# Altium PCB betrusted_evt2b.PcbDoc (part 2 of 6) (continued)
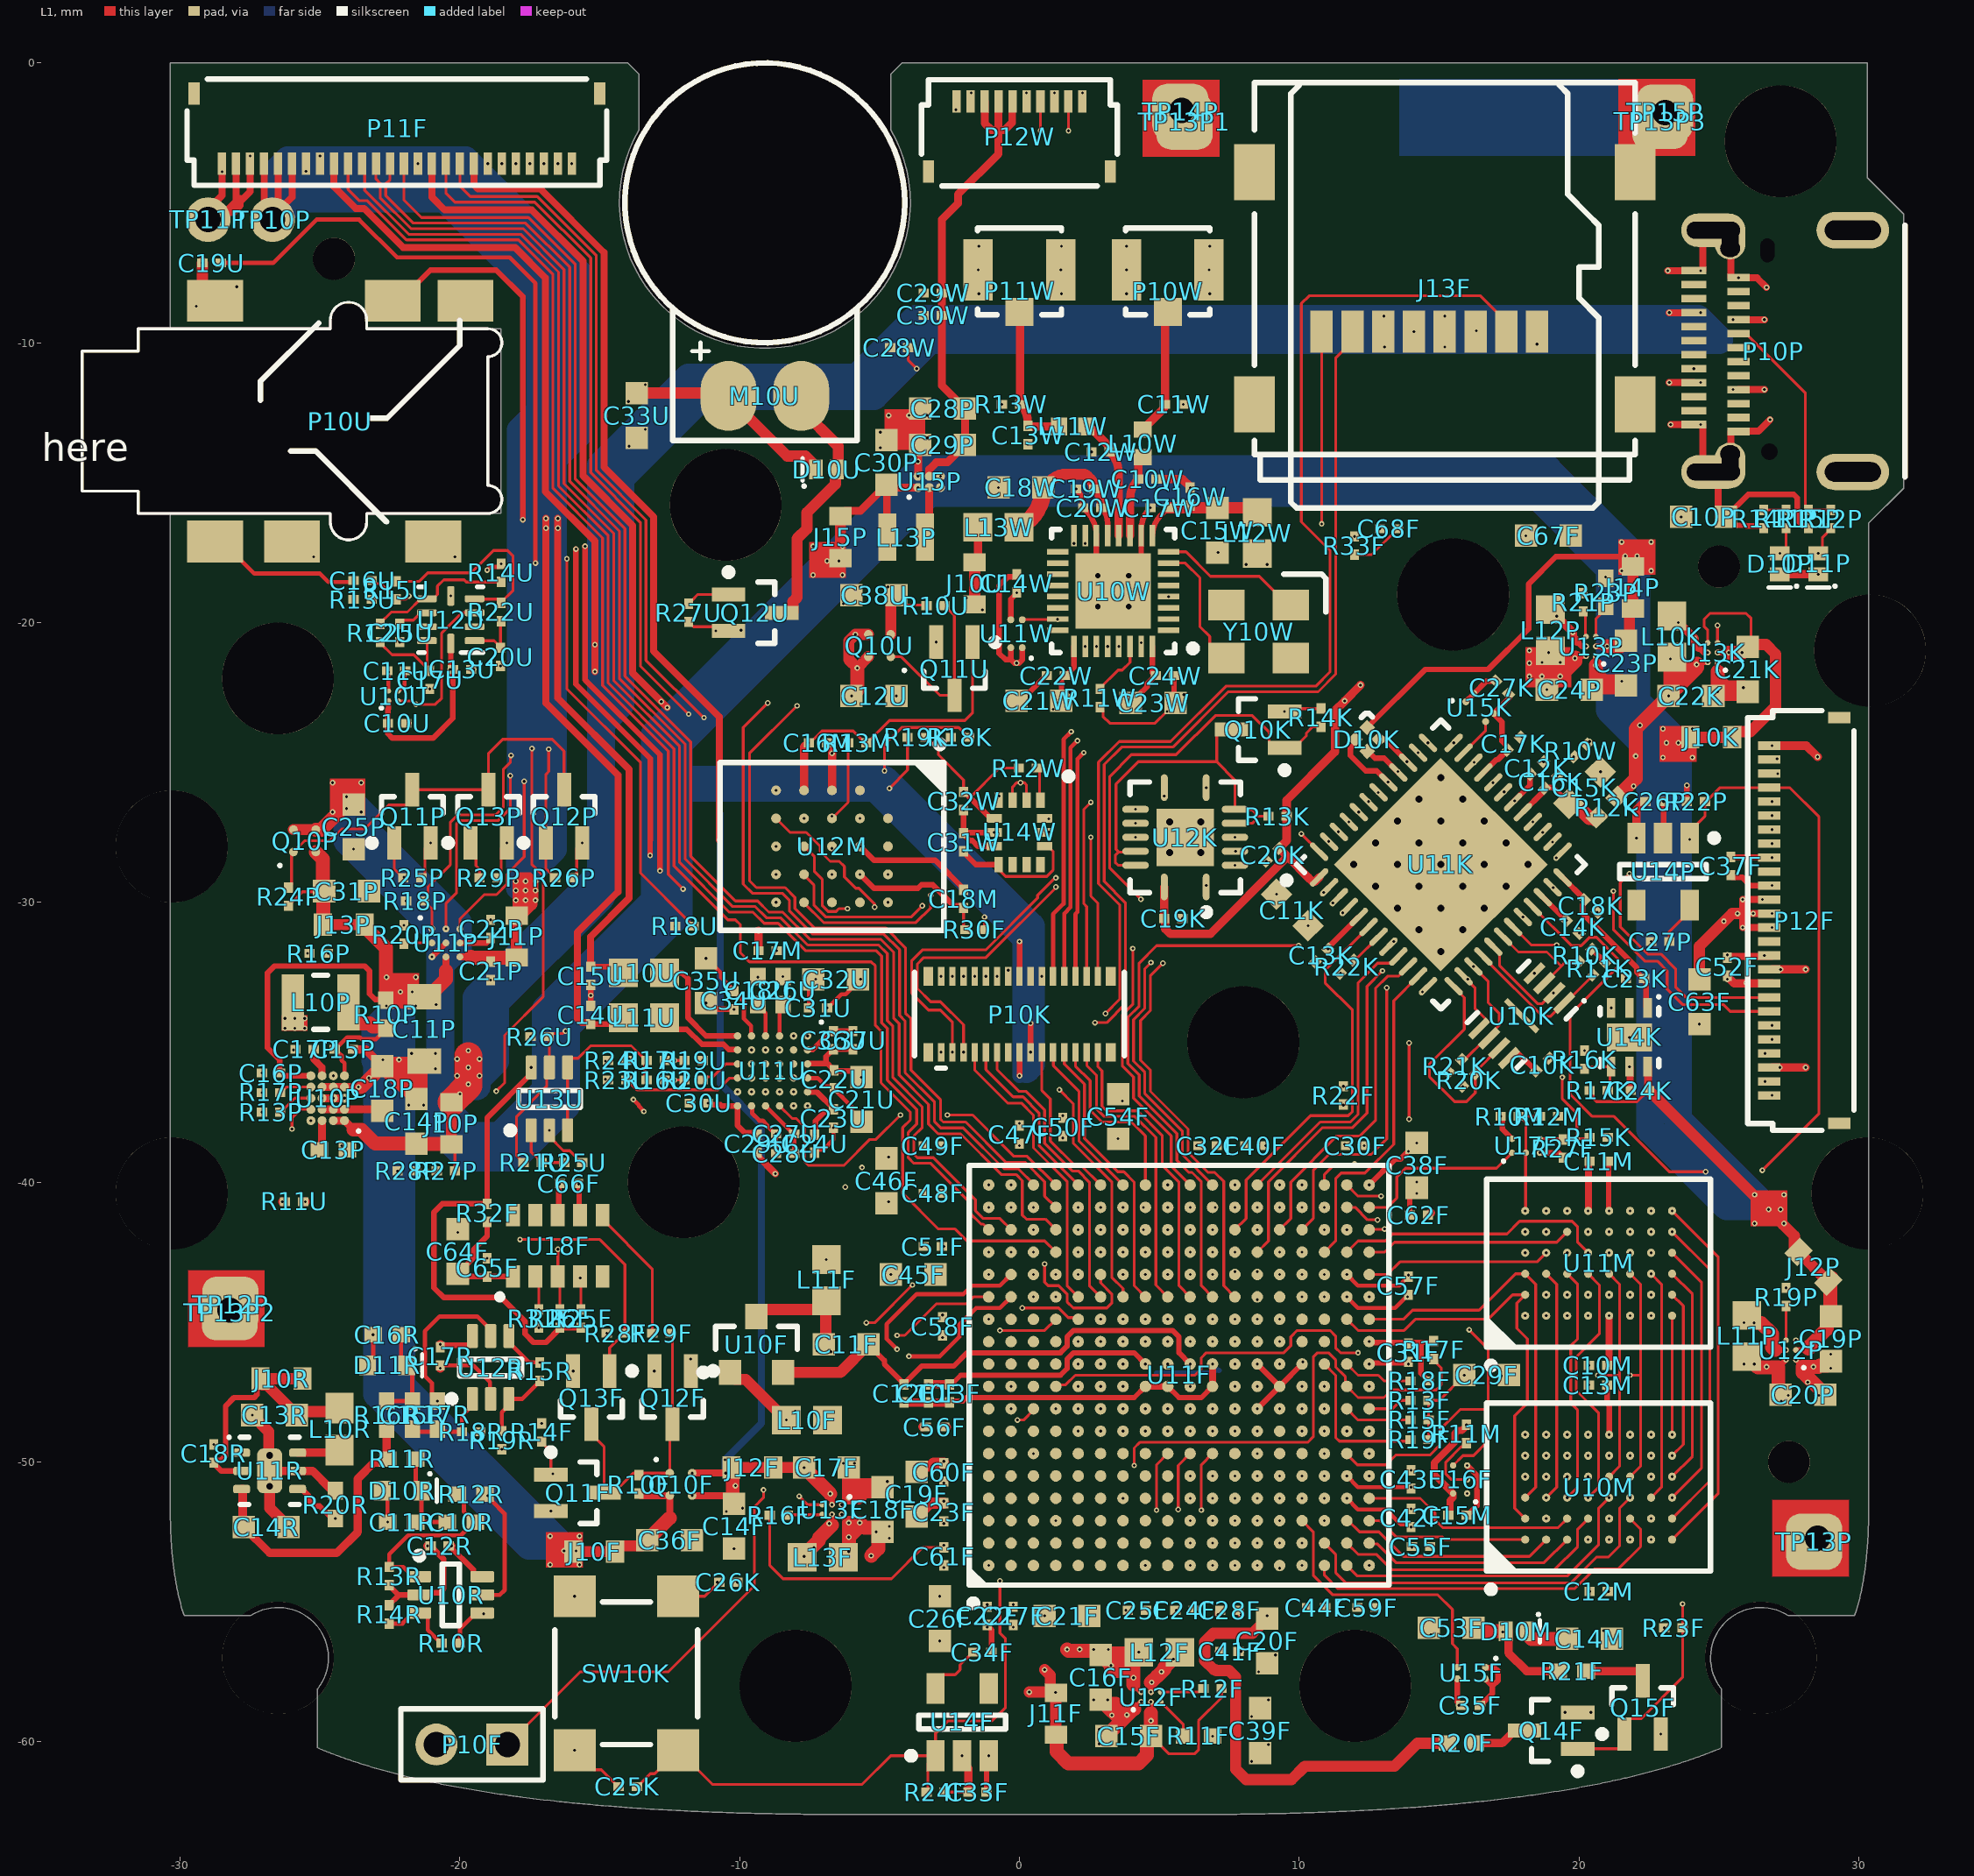
[diagram p0: L1 view]
## Part data (continued)
U10F: MPN=REF3012AIDBZT, MYPN=U-REF3012AIDBZR(T/R), VENDOR=TI
U10K: library part EN25P05-50GCP, "64Mbit SPI NOR FLASH", MPN=MX25R8035FZUIL0, MYPN=UMX25R8035FZUIL0, VENDOR=Macronix
U10M U11M: library part IS66WVE4M16, MPN=IS66WVE4M16EALL-70BLI, MYPN=U-IS66WVE4M16EALL-70BLI, VENDOR=ISSI
U10P: "Fully integrated switch-mode charger with USB compliance and OTG support", MPN=BQ24157YFFR, MYPN=U-BQ24157YFF(R/T), VENDOR=TI
U10R U12R U13U: library part CMP-0055-01099-3, "Single 1.8V, RRIO Operational Amplifiers with Shutdown, 6-pin SC-70, Pb-Free", Package Reference=DCK0006A, PackageTopMarking=A77*XTT, PowerWise=N, ComponentLink1Description="Datasheet URL", ComponentLink1URL=http://www.ti.com/general/docs/lit/getliterature.tsp?genericPartNumber=LMV981-N&fileType=pdf, CompType=Amplifiers, MPN=LMV981MG/NOPB, PackageDescription="Molded SC-70, 2 x 1.25 x .9mm, 6 Lead, 0.65mm Pitch", PinCount=6, RoHS=Y, VENDOR="Texas Instruments"
U10U: library part LP5907UVX, "Ultra low-noise 250mA LDO for RF and analog in DSBGA", MPN=LP5907UVX-2.2/NOPB, MYPN=ULP5907UVX-2.2, VENDOR=TI
U10W: library part WF200C(R), "Wifi Network Coprocessor", MPN=WF200C, MYPN=U-WF200C(R), VENDOR=SiLabs
U11F: library part XC7S25CSGA324, "Spartan 7 FPGA in CSGA324 package", MPN=XC7S50-L1CSGA324I, MYPN=U-XC7S50-CSGA324, VENDOR=XILINX
U11P: "System-Side Impedance Track Fuel Gauge with integrated Sense Resistor", MPN=bq27421YZFT-G1A, MYPN=bq27421YZF(T/R)-G1A, VENDOR=TI
U11R: "30V WLED driver with integrated power diode", MPN=TPS61158DRVR, MYPN=U-TPS61158DRVR, VENDOR=TI
U11U: library part AMP-AUDA-LM49352-36, MPN=LM49352RL/NOPB, MYPN=U-LM49352RL/NOPB, VENDOR=TI
U11W: library part SiT1532, "10ppm ultra low power 32.768 kHz replacement", MPN=SIT1532AI-J4-DCC-32.768E, MYPN=U-SIT1532AX-JX-DCC-32.768X, VENDOR=SiTime
U12F U13K: "Buck regulator, 4MHz, 0.6A, 0.8V-1.55V, low Iq", MPN=TPS62801YKAT, MYPN=U-TPS62801YKA(T/R), VENDOR=TI
U12K: "0.9 ohm low voltage, single supply, 4-channel SPST analog switch", MPN=TS3A4751RGYR, MYPN=U-TS3A4751RGYR, VENDOR=TI
U12M: library part MX66UM1G45G, "1.8V 1Gbit x1/x8 OctaFlash SPINOR", MPN=MX66UM1G45GXDI00, MYPN=U-MX66UM1G45GXDI00, VENDOR=Macronix
U12P U13F U13P: "Buck regulator, 4MHz, 0.6A, 1.8V-3.3V, low Iq", MPN=TPS62802YKAR, MYPN=U-TPS62802YKA(T/R), VENDOR=TI
U12U: library part TI-THS4531X-RUN10, "Ultra Low-Power, RRIO, Fully Differential Amplifier", MPN=THS4531AIRUNT, MYPN=U-THS4531AIRUN(T/R), VENDOR=TI
U14F U14P: library part BU42XXG, "Low voltage free delay time setting CMOS voltage detector IC", MPN=BU4217G-TR, MYPN=U-BU4217G-TR, VENDOR=Rohm
U14K: library part TI-TPS78225-Q1DRV6-1600X1000TP, "500nA Iq, 150mA LDO", MPN=TPS78225DRVT, MYPN=U-TPS78225DRV(T/R), VENDOR=TI
U14W: "iNEMO Inertial Module: Always-on 3D Accelerometer and 3D Gyroscope, 1.71 to 3.6 V, -40 to 85 degC, 14-Pin LGA, RoHS, Tape and Reel", Max Processing Temp=260, Operating Supply Voltage=1.8volt, Operating Temperature=-40to85C, Typical Supply Current=1.25Milliamps, Datasheet URL=http://www2.st.com/content/ccc/resource/technical/document/datasheet/a3/f5/4f/ae/8e/44/41/d7/DM00133076.pdf/files/DM00133076.pdf/jcr:content/translations/en.DM00133076.pdf, Datasheet Version="Rev. 8, 02/2016", Lead Finish=GoldOverNickel, Manufacturer URL=http://www.st.com/, Mounting=SurfaceMount, MPN=LSM6DS3TR, MYPN=U-LSM6DS3TR, Number of Axis=3, Output Type=Digital, Screening Level=Industrial, Sensing Distance=2|4|6|8|16G, Type=AccelerometerandGyroscope, VENDOR=STMicroelectronics
U15F U15K: library part SiT8021, "1 to 26 MHz micropower oscillator", MPN=SIT8021AI-J4-18S-12.000000E, MYPN=U-SIT8021AI-J4-18S-12.000000E, VENDOR=SiTime
U15P: "Synchronous Boost Converter with Ultra-Low Iq", MPN=TPS610997YFFR, MYPN=TPS610997YFFT(T/R), VENDOR=TI
U16F U17F: library part CMP-0859-01029-3, "Single Bilateral Analog Switch, YZP0005ADAD, LARGE T&R", F @ Nom Voltage(Max)(Mhz)=250, Generic Part Number=SN74AUC1G66, ICC @ Nom Voltage(Max)(mA)=0.01, Manufacturer="Texas Instruments", Operating Temperature Range(C)="-40 to 85", Rating=Catalog, tpd @ Nom Voltage(Max)(ns)=0.9,0.3,0.2,0.1, Voltage(Nom)(V)=0.8,1.2,1.5,1.8,2.5, 3-State Output=No, Bits(#)=1, Channels(#)=1, DatasheetVersion=SCES386L, Input Type=CMOS, Logic=True, Output Drive (IOL/IOH)(Max)(mA)=9/-9, Output Type=CMOS, PackageReference=YZP0005ADAD, Schmitt Trigger=No, Sub-Family="Analog Switch", Switch Configuration=SPST, Technology Family=AUC, VCC(Max)(V)=2.7, VCC(Min)(V)=0.8
U18F: library part AB-RTCMC-32.768kHZ-B5ZE-S3, "RTC Module with I2C Bus", MPN=AB-RTCMC-32.768KHZ-B5ZE-S3-T, MYPN=U-AB-RTCMC-32.768KHZ-B5ZE-S3-T, VENDOR=Abracon
Y10W: library part XTAL, "Crystal Oscillator", MPN=ECS-384-10-33B-CKY-TR, LatestRevisionDate=17-Jul-2002, LatestRevisionNote="Re-released for DXP Platform.", MYPN=X-38.4000-40OHM-10PF-10PPM, PackageDescription="Crystal, Thru-Hole; 2 Leads; Body 3.1 x 8.2 mm (Dia.xH)", PackageReference=R38, Published=8-Jun-2000, Publisher="Altium Limited", VENDOR=ECS

## Free pads (board coordinates)
  round 4 hole 4 unplated mask+0.3: 0(-30.3,-40.4) 0(-30.3,-28) 0(-26.5,-57) 0(-12,-40) 0(-10.5,-15.8) 0(12,-58) 0(15.5,-19) 0(26.5,-57) 0(30.3,-40.4) 0(30.4,-21)
  round 1.2 hole 0.9 mask+0.07: 0(-28.225,-44.575) 0(5.8,-1.7) 0(23.075,-1.775) 0(28.525,-52.725)
  round 4 hole 4 unplated mask+1: 0(-26.5,-22) 0(-8,-58) 0(8,-35) 0(27.2,-2.8)
  round 1.5 hole 1.5 unplated mask+0.4: 0(-24.5,-7) 0(25,-18) 0(27.5,-50)
  rect 2.489x0.051 on Bottom Overlay: 1(-16.861,-24.786) 1(-16.861,-24.735) 1(-16.861,-24.837) 1(-14.575,-22.449)
  rect 2.54x0.051 on Bottom Overlay: 1(-16.836,-25.091) 1(-16.836,-24.989) 1(-16.836,-24.939) 1(-16.836,-24.888) 1(-16.836,-24.685) 1(-16.836,-24.583) 1(-16.836,-24.532) 1(-16.836,-25.04) 1(-16.836,-24.634) 1(-16.836,-24.481) 1(-16.734,-24.278) 1(-12.416,-24.278) 1(-12.314,-25.04) 1(-12.314,-24.989) 1(-12.314,-24.939) 1(-12.314,-24.888) 1(-12.314,-24.837) 1(-12.314,-24.786) 1(-12.314,-24.735) 1(-12.314,-24.685) 1(-12.314,-24.634) 1(-12.314,-24.583) 1(-12.314,-24.532) 1(-12.314,-24.481)
  rect 2.591x0.051 on Bottom Overlay: 1(-16.81,-25.193) 1(-16.81,-25.142) 1(-16.81,-24.431) 1(-16.81,-24.38) 1(-16.81,-24.329) 1(-16.759,-25.243) 1(-12.391,-25.243) 1(-12.34,-25.142) 1(-12.34,-25.091) 1(-12.34,-24.38) 1(-12.34,-25.193) 1(-12.34,-24.431)
  rect 0.102x0.051 on Bottom Overlay: 1(-16.734,-21.992) 1(-15.667,-27.225) 1(-13.483,-27.225) 1(-12.416,-21.992)
  rect 0.254x0.051 on Bottom Overlay: 1(-16.709,-27.479) 1(-16.709,-22.043) 1(-15.693,-27.174) 1(-13.457,-27.174) 1(-12.441,-27.479) 1(-12.441,-22.043)
  rect 0.356x0.051 on Bottom Overlay: 1(-16.709,-27.428) 1(-16.709,-22.094) 1(-15.743,-27.123) 1(-13.407,-27.123) 1(-12.441,-22.094)
  rect 0.152x0.051 on Bottom Overlay: 1(-16.709,-27.529) 1(-12.441,-27.529)
  rect 0.457x0.051 on Bottom Overlay: 1(-16.709,-22.145)
  rect 0.508x0.051 on Bottom Overlay: 1(-16.683,-27.377) 1(-12.467,-27.377) 1(-12.467,-22.145)
  rect 0.61x0.051 on Bottom Overlay: 1(-16.683,-27.326) 1(-16.683,-22.195) 1(-12.467,-22.195)
  rect 0.711x0.051 on Bottom Overlay: 1(-16.683,-22.246)
  rect 0.864x0.051 on Bottom Overlay: 1(-16.658,-27.225) 1(-16.658,-22.297) 1(-14.575,-21.23) 1(-12.492,-27.225) 1(-12.492,-22.297)
  rect 0.965x0.051 on Bottom Overlay: 1(-16.658,-22.348) 1(-14.575,-21.383) 1(-14.575,-21.332) 1(-14.575,-21.281) 1(-12.492,-22.348)
  rect 0.762x0.051 on Bottom Overlay: 1(-16.658,-27.275) 1(-12.492,-27.275) 1(-12.492,-22.246)
  rect 1.016x0.051 on Bottom Overlay: 1(-16.632,-27.174) 1(-14.6,-21.433) 1(-12.518,-27.174)
  rect 2.337x0.051 on Bottom Overlay: 1(-16.632,-25.294) 1(-15.87,-23.77) 1(-12.518,-25.294)
  rect 1.219x0.051 on Bottom Overlay: 1(-16.632,-22.449) 1(-14.6,-21.992) 1(-12.518,-22.449)
  rect 1.118x0.051 on Bottom Overlay: 1(-16.632,-22.399) 1(-16.632,-27.123) 1(-14.6,-21.738) 1(-12.518,-27.123) 1(-12.518,-22.399)
  rect 2.286x0.051 on Bottom Overlay: 1(-16.607,-24.227) 1(-13.305,-23.77) 1(-12.594,-24.227)
  rect 2.134x0.051 on Bottom Overlay: 1(-16.48,-25.345) 1(-15.972,-23.821) 1(-13.178,-23.821) 1(-12.67,-25.345)
  rect 1.829x0.051 on Bottom Overlay: 1(-16.429,-26.971) 1(-16.328,-26.717) 1(-16.277,-26.615) 1(-16.277,-25.447) 1(-16.277,-24.126) 1(-16.226,-25.497) 1(-16.226,-24.075) 1(-16.023,-26.056) 1(-16.023,-26.005) 1(-13.127,-26.056) 1(-13.127,-26.005) 1(-12.975,-24.024) 1(-12.924,-26.564) 1(-12.924,-25.497) 1(-12.924,-25.447) 1(-12.924,-24.075) 1(-12.873,-26.666) 1(-12.873,-26.615) 1(-12.873,-24.126) 1(-12.822,-26.717) 1(-12.721,-26.971)
  rect 1.93x0.051 on Bottom Overlay: 1(-16.429,-26.92) 1(-16.124,-25.599) 1(-16.124,-23.923) 1(-16.023,-25.904) 1(-16.023,-25.853) 1(-13.127,-25.904) 1(-13.127,-25.853) 1(-13.026,-25.599) 1(-13.026,-23.923) 1(-12.975,-25.548) 1(-12.721,-26.92)
  rect 2.032x0.051 on Bottom Overlay: 1(-16.429,-24.177) 1(-16.074,-25.701) 1(-16.023,-25.802) 1(-16.023,-25.751) 1(-13.127,-25.802) 1(-13.127,-25.751) 1(-13.127,-25.701) 1(-12.721,-24.177)
  rect 1.676x0.051 on Bottom Overlay: 1(-16.404,-27.072) 1(-16.048,-26.209)
  rect 1.778x0.051 on Bottom Overlay: 1(-16.404,-27.021) 1(-16.251,-26.564) 1(-16.201,-26.513) 1(-16.201,-26.463) 1(-16.15,-26.412) 1(-16.099,-26.31) 1(-13.051,-26.31) 1(-13,-26.412) 1(-12.949,-26.513) 1(-12.949,-26.463) 1(-12.746,-27.021)
  rect 1.88x0.051 on Bottom Overlay: 1(-16.404,-26.869) 1(-16.404,-26.818) 1(-16.353,-26.767) 1(-16.302,-26.666) 1(-16.302,-25.396) 1(-16.201,-25.548) 1(-16.201,-24.024) 1(-16.15,-23.973) 1(-16.048,-25.955) 1(-13.153,-25.955) 1(-13,-23.973) 1(-12.848,-25.396) 1(-12.797,-26.818) 1(-12.797,-26.767) 1(-12.746,-26.869)
  rect 1.727x0.051 on Bottom Overlay: 1(-16.124,-26.361) 1(-16.074,-26.259) 1(-16.023,-26.158) 1(-16.023,-26.107) 1(-14.6,-22.297) 1(-13.127,-26.209) 1(-13.127,-26.158) 1(-13.127,-26.107) 1(-13.076,-26.259) 1(-13.026,-26.361) 1(-12.772,-27.072)
  rect 1.981x0.051 on Bottom Overlay: 1(-16.099,-25.65) 1(-16.048,-23.872) 1(-14.575,-22.348) 1(-13.102,-23.872) 1(-13.051,-25.65)
  rect 4.674x0.051 on Bottom Overlay: 1(-14.6,-23.313)
  rect 5.08x0.051 on Bottom Overlay: 1(-14.6,-23.008)
  rect 4.877x0.051 on Bottom Overlay: 1(-14.6,-23.161)
  rect 4.826x0.051 on Bottom Overlay: 1(-14.575,-23.719) 1(-14.575,-23.669) 1(-14.575,-23.211)
  rect 4.724x0.051 on Bottom Overlay: 1(-14.575,-23.618) 1(-14.575,-23.262) 1(-14.575,-23.567)
  rect 4.623x0.051 on Bottom Overlay: 1(-14.575,-23.465) 1(-14.575,-23.415) 1(-14.575,-23.364) 1(-14.575,-23.516)
  rect 5.029x0.051 on Bottom Overlay: 1(-14.575,-23.059)
  rect 5.131x0.051 on Bottom Overlay: 1(-14.575,-22.957)
  rect 5.232x0.051 on Bottom Overlay: 1(-14.575,-22.907)
  rect 5.334x0.051 on Bottom Overlay: 1(-14.575,-22.856) 1(-14.575,-22.805)
  rect 5.537x0.051 on Bottom Overlay: 1(-14.575,-22.703) 1(-14.575,-22.653) 1(-14.575,-22.551)
  rect 5.639x0.051 on Bottom Overlay: 1(-14.575,-22.602)
  rect 5.436x0.051 on Bottom Overlay: 1(-14.575,-22.5) 1(-14.575,-22.754)
  rect 1.473x0.051 on Bottom Overlay: 1(-14.575,-22.246)
  rect 1.27x0.051 on Bottom Overlay: 1(-14.575,-22.195) 1(-14.575,-22.145) 1(-14.575,-22.094) 1(-14.575,-22.043)
  rect 1.168x0.051 on Bottom Overlay: 1(-14.575,-21.941) 1(-14.575,-21.891) 1(-14.575,-21.84) 1(-14.575,-21.789)
  rect 1.067x0.051 on Bottom Overlay: 1(-14.575,-21.586) 1(-14.575,-21.535) 1(-14.575,-21.484) 1(-14.575,-21.687) 1(-14.575,-21.637)
  rect 4.928x0.051 on Bottom Overlay: 1(-14.575,-23.11)
  rect 2.184x0.051 on Bottom Overlay: 1(-14.575,-22.399)
  rect 0.66x0.051 on Bottom Overlay: 1(-12.492,-27.326)
  rect 0.406x0.051 on Bottom Overlay: 1(-12.467,-27.428)
  rect 2.642x0.051 on Bottom Overlay: 1(-12.365,-24.329)

## Via types
v1: diameter 0.2, hole 0.1, L1 to L2, tented both sides, 1071 vias
v2: diameter 0.5, hole 0.25, L2 to L7, tented both sides, 640 vias
v3: diameter 0.2, hole 0.1, L7 to L8, tented both sides, 120 vias
v4: diameter 0.5, hole 0.25, L1 to L8, 29 vias
v5: diameter 0.5, hole 0.2, L1 to L8, 4 vias
v6: diameter 0.4, hole 0.25, L1 to L8, 2 vias

## Nets (pads, with @x,y where several pads share a name; then routed paths per layer and width w, separated by ;. In a path a pad name is that pad's centre, name@x,y a point inside that pad or via, vN(x,y) a via of type N, cw(c..) or ccw(c..) an arc to the next point about the centre after c; other vN are vias at no path point)
12MHZ_CLK: U11F.R3 U15F.2 | length 9.7
  L1 w0.1: U11F.R3@10.1,-52.1 10.5,-52.5 10.5,-54.05 11.2,-54.75 14.95,-54.75 15.475,-55.275 15.475,-56.5 15.65,-56.675 U15F.2@15.65,-57.34
12MHZ_CLK_U: U11K.35 U15K.2 | length 1.4
  L1 w0.1: U11K.35@15.873,-24.654 16.66,-23.866 U15K.2@16.66,-23.54
ALLOW_UP5K: Q10K.3 R13K.1 U12K.5 U12K.6 U12K.12 U12K.13 | length 13.7
  L1 w0.1: U12K.13@4.15,-28.675 3.525,-28.675 3.425,-28.575 3.425,-28.325 3.546,-28.204 ; U12K.12@4.15,-28.175 4.121,-28.204 3.546,-28.204 ; Q10K.3@7.575,-23.825 7.25,-23.825 7.05,-24.025 7.05,-24.975 ; U12K.5@7.7,-27.175 8.325,-27.175 8.425,-27.075 8.425,-26.938 ; U12K.6@7.7,-26.675 7.7,-25.625 7.05,-24.975 ; U12K.6@8.05,-26.675 8.075,-26.7 8.325,-26.7 8.425,-26.8 8.425,-26.938 ; R13K.1@8.9,-26.925 8.438,-26.925 8.425,-26.938 ; 3.546,-28.204 3.45,-28.107 3.45,-25.775 4.25,-24.975 7.05,-24.975
ALLOW_UP5K_N: Q10K.1 R14K.2 U11F.U7 | length 46.6
  L1 w0.1: v1(4.337,-29.887) 3.225,-28.775 3.225,-25.5 4,-24.725 5.6,-24.725 7,-23.325 8.325,-23.325 8.925,-23.925 8.925,-24.275 9.125,-24.475 Q10K.1@9.475,-24.475 9.825,-24.475 10.252,-24.047 10.252,-23.952 10.48,-23.725 R14K.2@10.775,-23.725 ; v1(13.925,-37.75) v1(13.925,-35.025)
  L2 w0.1: v1(4.337,-29.887) 8.113,-29.887 9.6,-31.375 9.6,-31.529 9.871,-31.8 10.334,-31.8 10.864,-31.27 11.245,-31.27 11.475,-31.5 11.475,-31.791 10.925,-32.341 10.925,-32.75 13.2,-35.025 v1(13.925,-35.025) ; v1(11.7,-48.9) 11.7,-47.583 12.279,-47.004 13.121,-47.004 13.6,-46.525 13.6,-44.95 14.225,-44.325 14.225,-42.75 13.925,-42.45 13.383,-42.45 12.55,-41.617 12.55,-40.517 11.7,-39.667 11.7,-39.25 11.85,-39.1 13.25,-39.1 13.625,-38.725 13.625,-38.05 v1(13.925,-37.75)
ANA_VN: C17U.2 R17U.1 R19U.2 U11F.K9 | length 52.8
  L1 w0.1: R17U.1@-12.675,-35.65 v1(-12.325,-35.65) R19U.2@-11.975,-35.65
  L2 w0.1: v1(-12.325,-35.65) -12.325,-35.975 -14.85,-38.5 -14.85,-41.25 -13.1,-43 -7.925,-43 -6.2,-44.725 -4.733,-44.725 -2.775,-46.683 -2.775,-47.508 -1.008,-49.275 -0.125,-49.275 0.5,-48.65 0.5,-47.575 1.075,-47 5,-47 5.3,-47.3 v1(6.1,-47.3)
  L2 w0.15: v1(-21.075,-22.375) -19.7,-22.375 -19.25,-22.825 -19.25,-25.814 -14.325,-30.739 -14.325,-34.586 -14.521,-34.782 -14.521,-36.718 -13.807,-37.432
ANA_VP: C20U.2 R16U.2 R20U.2 U11F.J10 | length 50.4
  L1 w0.1: R16U.2@-12.675,-36.35 v1(-12.325,-36.35) R20U.2@-11.975,-36.35
  L1 w0.15: v1(-13.8,-37.05) -13.6,-37.25 -13.6,-37.286 -13.425,-37.461 v1(-13.425,-37.475)
  L2 w0.1: v1(-12.325,-36.35) -14.625,-38.65 -14.625,-41.15 -12.975,-42.8 -7.825,-42.8 -6.1,-44.525 -4.65,-44.525 -2.575,-46.6 -2.575,-47.425 -0.925,-49.075 -0.208,-49.075 0.3,-48.567 0.3,-47.492 0.992,-46.8 5,-46.8 v1(5.3,-46.5)
  L2 w0.15: v1(-18.55,-21.55) -18.975,-21.975 -18.975,-25.7 -14.05,-30.625 -14.05,-34.7 -14.246,-34.896 -14.246,-36.604 v1(-13.8,-37.05)
AU_CLK1: U11F.D14 U11U.F5 | length 18.9
  L2 w0.1: v1(-10.075,-36.775) -10.075,-37.525 -9.125,-38.475 -9.125,-39.866 -8.551,-40.439 -7.439,-40.439 -6.5,-41.379 -6.5,-42.4 -4.725,-44.175 -3.983,-44.175 -3.008,-45.15 -2.075,-45.15 -1.575,-45.65 0.35,-45.65 1.575,-44.425 1.575,-43.575 v1(1.3,-43.3)
AU_CLK2: U11F.F14 U11U.C5 | length 18.4
  L1 w0.1: v1(0.9,-42.925) 0.9,-43.575 1.025,-43.7 1.402,-43.7 1.7,-43.998 1.7,-44.275 1.925,-44.5 3.125,-44.5 3.3,-44.325 3.3,-43.998 2.9,-43.598 U11F.F14@2.9,-43.3
  L2 w0.1: v1(-8.575,-36.775) -8.325,-37.025 -6.5,-37.025 -5.075,-38.45 -5.075,-40.95 -4.125,-41.9 -2.45,-41.9 -2.075,-42.275 -1.85,-42.275 -1.2,-42.925 v1(0.9,-42.925) v1@0.95,-42.925
AU_HPVSS: C26U.2 U11U.C1 | length 1.2
  L1 w0.15: U11U.C1@-8.575,-34.775 -8.575,-33.775 C26U.2@-8.45,-33.65
AU_MCLK: U11F.D18 U11U.C6 | length 13.3
  L1 w0.1: U11U.C6@-8.575,-37.275 -8.125,-37.725 -7.975,-37.725 -7.675,-38.025 -7.675,-39.275 -7.55,-39.4 -6.275,-39.4 -5.35,-38.475 -5.125,-38.475 v1(-4.25,-37.6) ; v1(-2.575,-37.6) -1.675,-37.6 -0.2,-39.075 0.275,-39.075 U11F.D18@1.3,-40.1
  L2 w0.1: v1(-4.25,-37.6) v1(-2.575,-37.6)
AU_SDI1: U11F.D12 U11U.E5 | length 16.3
  L1 w0.1: v1(-0.7,-45.3) 0.9,-45.3 U11F.D12@1.3,-44.9
  L2 w0.1: v1(-9.575,-36.775) -9.575,-37.175 -8.975,-37.775 -8.55,-37.775 -8.225,-38.1 -8.225,-38.475 -8.485,-38.735 -8.485,-39.11 -6.275,-41.321 -6.275,-42.225 -4.525,-43.975 -3.9,-43.975 -3.55,-44.325 -2.4,-44.325 -1.425,-45.3 v1(-0.7,-45.3)
AU_SDI2: U11F.A15 U11U.B5 | length 10.7
  L2 w0.1: v1(-8.075,-36.775) -6.458,-36.775 -4.708,-38.525 -4.5,-38.525 -4.25,-38.775 -4.25,-41.075 -3.675,-41.65 -2.125,-41.65 -1.275,-42.5 v1(-1.1,-42.5)
AU_SDO1: U11F.C13 U11U.D5 | length 13.6
  L2 w0.1: v1(-9.075,-36.775) -9.075,-37.225 -8.812,-37.488 -8.462,-37.488 -7.713,-38.237 -7.713,-38.487 -6.975,-39.225 -6.975,-40.15 -3.35,-43.775 0.175,-43.775 v1(0.5,-44.1)
AU_SYNC1: U11F.B15 U11U.D4 | length 12.7
  L2 w0.1: v1(-9.075,-36.275) -8.825,-36.525 -6.425,-36.525 -4.675,-38.275 -4.425,-38.275 -4.025,-38.675 -4.025,-40.9 -3.525,-41.4 -2.025,-41.4 -1.275,-42.15 -0.65,-42.15 v1(-0.3,-42.5)
AU_SYNC2: U11F.B17 U11U.B4 | length 10.2
  L1 w0.1: U11F.B17@-0.375,-40.9 v1(-0.3,-40.9)
  L2 w0.1: v1(-8.075,-36.275) -6.35,-36.275 -4.65,-37.975 -3.6,-37.975 -3.1,-38.475 -3.1,-39.15 -1.85,-40.4 -0.8,-40.4 v1(-0.3,-40.9)
AUDIO_ON: R21U.2 R26U.2 U10U.B1 U11F.G13 U12U.3 U13U.5 | length 54.2
  L1 w0.1: U10U.B1@-22.2,-22.8 -21.725,-22.8 -21.6,-22.925 v1(-21.575,-22.925) -20.875,-22.925 -20.65,-22.7 -20.65,-20.375 -19.925,-19.65 U12U.3@-19.475,-19.65 ; R21U.2@-17.725,-39.3 -17.75,-39.3 -17.86,-39.19 -17.86,-39.165 -17.975,-39.05 -17.975,-37.65 -16.9,-36.575 -16.9,-36 U13U.5@-16.8,-35.9 -16.8,-34.825 R26U.2@-16.825,-34.8 -16.715,-34.69 -16.342,-34.69 -16.252,-34.6 v1(-16.225,-34.6) ; v1(1.425,-36.7) 1.925,-37.2 1.925,-38.608 3.3,-39.983 3.3,-43.402 3.7,-43.802 U11F.G13@3.7,-44.1
  L2 w0.1: v1(-21.575,-22.925) -19.825,-24.675 -19.825,-27.4 -18.8,-28.425 -17.175,-28.425 -16.225,-29.375 v1(-16.225,-34.6) ; v2(-2.9,-34.425) -2.125,-34.425 -1.4,-35.15 -1.4,-35.75 -0.5,-36.65 0.2,-36.65 0.7,-37.15 0.991,-37.15 1.425,-36.716 v1(1.425,-36.7)
  L7 w0.1: v1(-16.225,-34.6) -8.775,-34.6 -8.175,-34 -3.325,-34 v2(-2.9,-34.425)
  other v2: -16.225,-34.6
CDONE: R22K.2 U11K.7 | length 1.3
  L1 w0.1: R22K.2@11.93,-32.07 11.992,-32.07 U11K.7@12.832,-31.23
CHG_BOOT: C13P.2 U10P.A3 | length 1.1
  L1 w0.28: C13P.2@-25.025,-38.85 -24.925,-38.75 U10P.A3@-24.925,-37.8
CHG_CSIN: C15P.1 L10P.2 R10P.2 U10P.E1 | length 5.4
  L1 w0.15: C15P.1@-24.475,-35.25 C15P.1@-24.45,-35.25 ; U10P.E1@-24.125,-36.2 -24.125,-35.75 -24.225,-35.65 -24.225,-35.475 C15P.1@-24.45,-35.25 ; R10P.2@-22.65,-34.5 -22.65,-34.54 -23,-34.89 -23.51,-34.89 -23.575,-34.825 -24.025,-34.825 C15P.1@-24.45,-35.25
  L1 w0.28: C15P.1@-24.475,-35.25 C15P.1@-24.47,-35.245
  L1 w0.5: L10P.2@-23.975,-33.575 -23.975,-34.175 -23.825,-34.325 -23.225,-34.325 -23.115,-34.435 -22.675,-34.435 -22.65,-34.46 R10P.2@-22.65,-34.5
CHG_PMID: C18P.1 U10P.B1 U10P.B2 U10P.B3 | length 2.2
  L1 w0.28: U10P.B3@-24.925,-37.4 -22.825,-37.4 C18P.1@-22.775,-37.45
CHG_STAT: R13P.2 U10P.C4 | length 1.3
  L1 w0.1: R13P.2@-26.425,-37.5 -26.4,-37.5 -25.9,-37 U10P.C4@-25.325,-37
CHG_SW: C13P.1 L10P.1 U10P.C1 U10P.C2 U10P.C3 | length 8.4
  L1 w0.28: v1(-24.925,-37) v1(-24.525,-37) v1(-24.125,-37)
  L2 w0.5: v1(-23.825,-39) -23.925,-39 v1(-24.225,-38.7) -24.225,-37.525 ; -24.225,-37.525 -24.225,-37.1 v1(-24.125,-37) v1(-24.525,-37) v1(-24.925,-37) -24.4,-37.525 -24.225,-37.525
  L2 w0.8: v1@-26.25,-34.425 -25.425,-34.425 -25.25,-34.6 -25.25,-36.675 v1(-24.925,-37)
  other v1: -26.25,-34.5 -25.9,-34.5 -25.55,-34.5 -26.25,-34.15 -25.9,-34.15 -25.55,-34.15
COM_CS: U11F.T15 U11K.11 | length 11.7
  L1 w0.1: U11F.T15@10.9,-42.5 11.3,-42.1 11.3,-39.875 11.5,-39.675 12.35,-39.675 13.375,-38.65 13.375,-33.515 U11K.11@14.246,-32.644
COM_IRQ: U11F.M16 U11K.6 | length 14.4
  L1 w0.1: U11F.M16@7.7,-41.7 8.1,-41.3 8.1,-39.925 10.4,-37.625 11.75,-37.625 11.9,-37.475 11.9,-33.85 10.925,-32.875 10.925,-32.43 U11K.6@12.479,-30.876
COM_MISO: U11F.P16 U11K.10 | length 12
  L1 w0.1: U11F.P16@9.3,-41.7 9.7,-41.3 9.7,-39.998 11.348,-38.35 12.175,-38.35 12.725,-37.8 12.725,-33.075 13.158,-32.642 13.542,-32.642 U11K.10@13.893,-32.29
COM_MOSI: U11F.N18 U11K.9 | length 11.2
  L1 w0.1: U11F.N18@8.5,-40.1 10.75,-37.85 11.825,-37.85 12.1,-37.575 12.1,-32.875 12.8,-32.175 13.301,-32.175 U11K.9@13.539,-31.937
COM_SCLK: U11F.R16 U11K.20 | length 19.3
  L1 w0.1: U11F.R16@10.1,-41.7 10.5,-41.3 10.5,-39.575 11.065,-39.01 12.572,-39.01 13.125,-38.457 v1(13.125,-33.05)
  L2 w0.1: v1(13.125,-33.05) 13.125,-33.046 13.3,-32.871 13.3,-31.75 13.125,-31.575 13.125,-31.15 15.375,-28.9 16.159,-28.9 17.384,-30.125 17.597,-30.125 v1(17.994,-30.523)
CP+: C18U.2 U11U.D2 | length 2.7
  L2 w0.1: v1(-9.35,-32.675) -9.075,-32.95 -9.075,-34.7 v1(-9.075,-35.275)
CP-: C18U.1 U11U.D1 | length 1.2
  L1 w0.15: C18U.1@-9.35,-33.65 -9.35,-33.69 -9.075,-33.965 U11U.D1@-9.075,-34.775
CRESET_B: C26K.1 P12F.4 R22P.1 SW10K.3 U11K.8 U14P.1 | length 97.1
  L1 w0.1: SW10K.3@-12.2,-54.8 -11.25,-54.8 -10.75,-54.3 C26K.1@-10.725,-54.3 ; U14P.1@23.95,-27.7 23.95,-27.475 24.5,-26.925 R22P.1@24.5,-26.4 24.54,-26.4 25.04,-25.9 26.9,-25.9 27.525,-25.9 28.575,-26.95 28.575,-37.55 v1(26.55,-39.575)
  L2 w0.1: v1(-10.8,-54.3) -10.25,-54.85 -9.875,-54.85 -9.525,-54.5 -5.525,-54.5 -4.475,-55.55 -2.6,-55.55 -1.65,-56.5 0.9,-56.5 1.325,-56.075 3.1,-56.075 3.375,-55.8 4.4,-55.8 5.05,-56.45 6.025,-56.45 7.4,-57.825 7.4,-60.775 8.1,-61.475 13.325,-61.475 15.275,-59.525 16.85,-59.525 18.375,-58 18.375,-55.8 18.95,-55.225 23.1,-55.225 23.45,-55.575 23.8,-55.575 25.175,-54.2 25.175,-44.275 26.025,-43.425 26.025,-42.025 25.8,-41.8 25.8,-40.325 v1(26.55,-39.575) ; v1(13.375,-31.4) 13.735,-31.04 13.735,-30.865 14.9,-29.7 15.545,-29.7 15.672,-29.827 16.215,-29.827 16.237,-29.804 16.781,-29.804 17.749,-30.773 18.098,-30.773 18.6,-30.27 18.6,-28.45 18.925,-28.125 23.225,-28.125 23.6,-27.75 v1(23.95,-27.75)
CTR_NOISE0: C15R.2 R17R.1 R18R.2 U12R.1 | length 3.1
  L1 w0.15: C15R.2@-21.7,-48.825 -21.6,-48.925 R18R.2@-19.925,-48.925 -19.925,-48.35 -19.55,-47.975 U12R.1@-19.55,-47.75
CTR_NOISE1: C10R.2 R12R.1 R13R.2 U10R.1 | length 6.5
  L1 w0.15: U10R.1@-21.45,-54.1 -21.675,-54.1 -22.025,-53.75 R13R.2@-22.525,-53.75 -22.525,-53.3 -21.85,-52.625 -19.965,-52.625 C10R.2@-19.49,-52.15 ; R12R.1@-20.1,-51.15 -20.06,-51.15 -19.86,-51.35 -19.86,-51.78 C10R.2@-19.49,-52.15 ; C10R.2@-19.45,-52.15 C10R.2@-19.49,-52.15
DAC_REF: C21U.1 C22U.1 U11U.A4 | length 2.7
  L1 w0.15: U11U.A4@-7.575,-36.275 -7.567,-36.283 -7.217,-36.283 -6.925,-36.575 -6.7,-36.575 C22U.1@-6.625,-36.65 -6.625,-36.675 -5.975,-37.325 -5.975,-37.525 C21U.1@-5.65,-37.85
EXTCOMMIN: P12W.4 U11K.45 | length 41.4
  L1 w0.1: v2(0.75,-2.425) P12W.4@0.75,-1.375
  L2 w0.1: v2(-2.013,-24.913) -1.175,-25.75 -1.175,-26.475 -0.925,-26.725 0.242,-26.725 1.467,-25.5 2.652,-25.5 2.852,-25.3 7.975,-25.3 8.175,-25.5 10.15,-25.5 v1(11.775,-27.125)
  L7 w0.1: v2(-2.013,-24.913) -2.013,-20.212 -2.525,-19.7 -2.525,-18.5 0.75,-15.225 v2(0.75,-2.425)
  other v1: 0.75,-2.425
F_UART_RX: P12F.2 U11F.V7 | length 37.8
  L2 w0.1: v1(12.5,-48.9) 12.975,-48.9 15.1,-46.775 15.1,-44 17.45,-41.65 17.45,-41.296 17.971,-40.775 18.2,-40.775 18.75,-41.325 19.775,-41.325 20.025,-41.575 20.025,-41.975 20.25,-42.2 21.95,-42.2 22.2,-41.95 22.2,-41.625 22.475,-41.35 23.4,-41.35 24.1,-40.65 24.1,-39.35 25.126,-38.324 26.426,-38.324 28.55,-36.2 28.55,-27.475 26.7,-25.625 26.7,-25.25 v1(27.075,-24.875)
F_UART_TX: P12F.3 U11F.V6 | length 74.6
  L2 w0.1: v2(25.575,-42.5) 25.575,-40.025 28.825,-36.775 28.825,-27.125 v1(27.1,-25.4)
  L7 w0.1: v1(12.5,-49.7) 12.075,-49.7 11.875,-49.9 11.42,-49.9 11.22,-50.1 10.6,-50.1 10.5,-50.2 10.5,-50.666 10.266,-50.9 8.8,-50.9 7.6,-49.7 5.6,-49.7 3.925,-51.375 3.925,-53.3 3.125,-54.1 3.125,-56.325 4.013,-57.213 4.35,-57.213 6.075,-58.938 6.075,-59.825 7.85,-61.6 15.075,-61.6 19.3,-57.375 21.725,-57.375 22.425,-56.675 22.425,-55.775 25.575,-52.625 v2(25.575,-42.5) v2@25.575,-42.45
  other v2: 12.5,-49.7
FPGA_DIS: Q14F.1 Q15F.1 R23F.2 U11K.21 | length 39.2
  L1 w0.1: U11K.21@18.348,-30.169 19.729,-31.55 20.075,-31.55 20.375,-31.25 20.625,-31.25 21.4,-32.025 21.4,-32.3 19.675,-34.025 19.675,-36.85 20.475,-37.65 21.25,-37.65 23.225,-39.625 v1(24.525,-39.625) ; Q14F.1@19.95,-60.25 21.425,-60.25 21.625,-60.05 Q15F.1@21.625,-59.725 21.625,-59.375 21.825,-59.175 22.225,-59.175 23.7,-57.7 R23F.2@23.7,-55.925 v1(23.7,-55.075)
  L2 w0.1: v1(23.7,-55.075) 23.7,-52.925 24.525,-52.1 v1(24.525,-39.625)
FPGA_SYS_ON: Q11F.1 R14F.2 U11F.N13 | length 36.6
  L1 w0.1: R14F.2@-17.075,-49.275 -17.075,-49.3 -16.75,-49.625 Q11F.1@-16.75,-50.45
  L2 w0.1: v1(-16.675,-50.425) -15.525,-50.425 -13.675,-52.275 -9.358,-52.275 -8.65,-51.567 -8.65,-50.275 -7.7,-49.325 -4.2,-49.325 -3.95,-49.575 -1.975,-49.575 -0.8,-50.75 1,-50.75 1.1,-50.65 4.399,-50.65 5.85,-49.199 5.85,-47.996 6.021,-47.825 6.4,-47.825 6.75,-47.475 6.75,-47.025 6.491,-46.766 5.966,-46.766 5.825,-46.625 5.825,-44.609 6.334,-44.1 7.558,-44.1 8.373,-44.1 8.473,-44.2 v1(8.5,-44.2)
GG_BIN: R20P.1 U11P.B1 | length 1
  L1 w0.1: R20P.1@-22,-31.475 -21.975,-31.45 U11P.B1@-21,-31.45
GG_INT: R18P.2 U11K.42 U11P.A1 | length 42.5
  L1 w0.1: R18P.2@-21.275,-29.95 R18P.2@-21.25,-29.95 ; U11P.A1@-21,-30.95 -21,-30.225 -21.14,-30.085 -21.14,-30.06 R18P.2@-21.25,-29.95 ; v1(-18.175,-24.75) -18.194,-24.769 -18.194,-24.994 -18.45,-25.25 -18.45,-26.6 -18.725,-26.875 -20.083,-26.875 -20.339,-27.131 -20.339,-28.646 -21.14,-29.447 -21.14,-29.84 R18P.2@-21.25,-29.95
  L2 w0.1: v1(-18.175,-24.75) -17.25,-23.825 -15.85,-23.825 -13.85,-21.825 -6.234,-21.825 -4.259,-23.8 -2.338,-23.8 -1.588,-24.55 -0.875,-24.55 -0.525,-24.9 2.404,-24.9 2.604,-24.7 11.45,-24.7 v1(12.825,-26.075)
GG_VDD: C22P.1 U11P.B3 | length 1.2
  L1 w0.2: U11P.B3@-20,-31.45 -19.05,-31.45 -18.9,-31.3 C22P.1@-18.9,-31.275